# Altium PCB toothx.PcbDoc
Units mm, origin at the board's own origin, x right, y up, seen from the top; angles counter-clockwise.
Board outline 65 x 10 mm, 2 copper layers (Top Layer, Bottom Layer); 42 components, 34 nets, 151 pads, 146 vias.
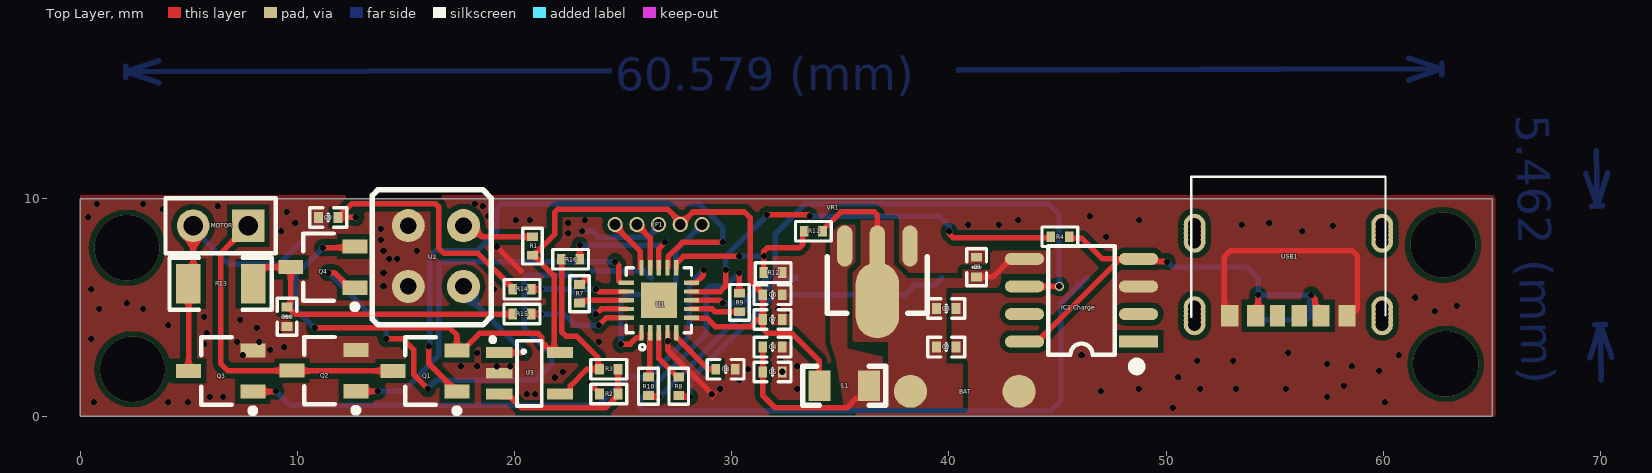
[diagram p0: Top Layer view]
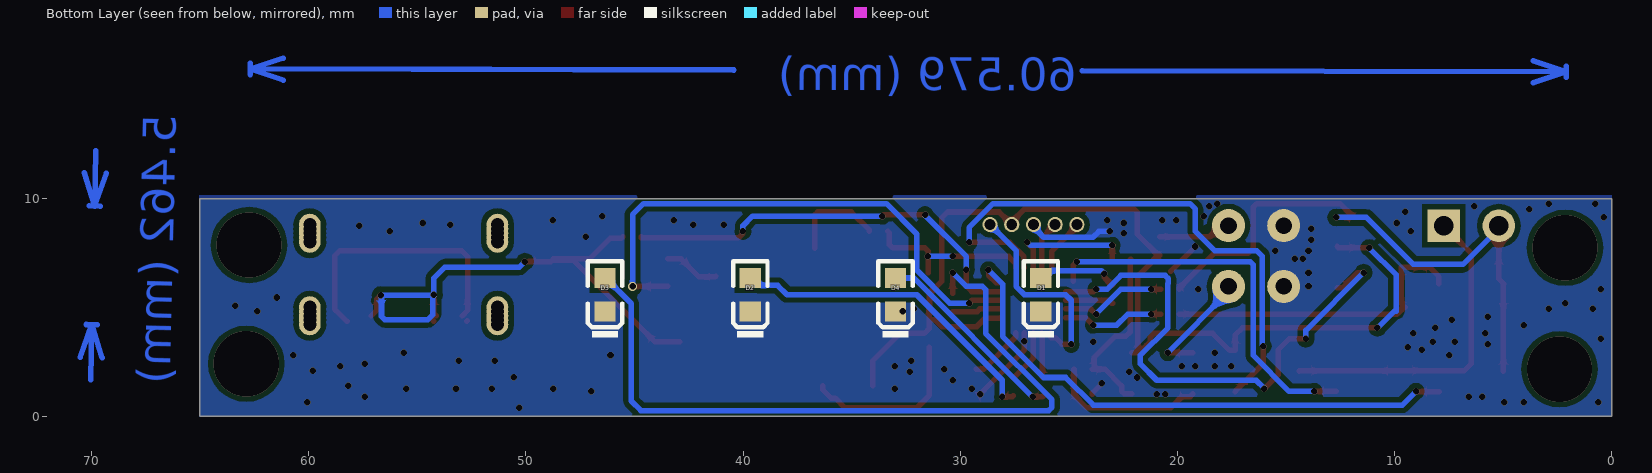
[diagram p1: Bottom Layer view, seen from below]
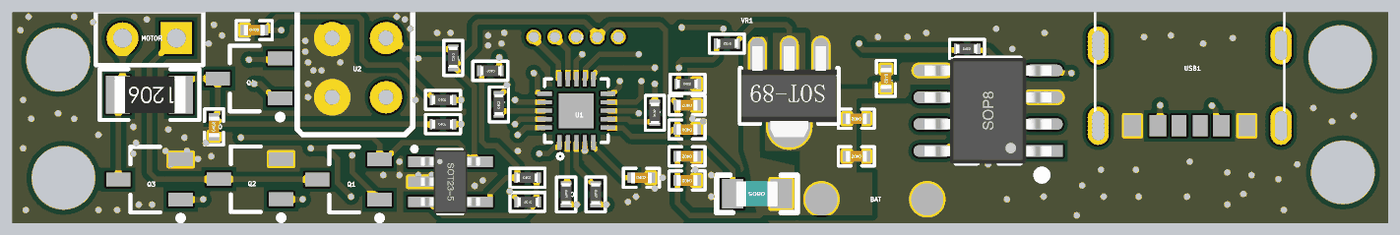
[diagram p2: 3D render of the assembled board from above, using the file's embedded part models]
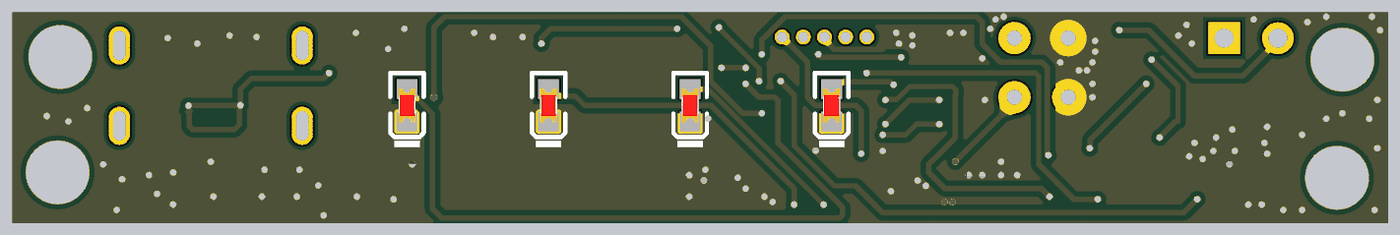
[diagram p3: 3D render of the assembled board from below, using the file's embedded part models]

## Layer stack, top to bottom
Top Solder: solder mask 0.0102, Solder Resist, Dk 3.5
Top Layer: signal copper 0.0356
Dielectric 1: dielectric 0.32, FR-4, Dk 4.8
Bottom Layer: signal copper 0.0356
Bottom Solder: solder mask 0.0102, Solder Resist, Dk 3.5

## Board outline
0,0 65,0 65,10 0,10

## Design rules (kind name [scope] priority, off if disabled: settings)
Clearance [All] p1: gap=0.245 ignorepadtopadclearanceinfootprint=FALSE except(0: Arc-SMDPad Arc-Hole Track-SMDPad Track-Hole SMDPad-SMDPad SMDPad-THPad SMDPad-Via SMDPad-Text SMDPad-Hole THPad-Hole Via-Hole Text-Hole; 0.1: Arc-Arc Arc-Track Arc-THPad Arc-Via Arc-Text Track-Track Track-THPad Track-Via Track-Text THPad-THPad THPad-Via THPad-Text Via-Via Via-Text Text-Text)
PolygonConnect [All] p1: connectstyle=Direct reliefconductorwidth=0.254 reliefentries=4 polygonreliefangle="45 Angle" airgapwidth=0.254
RoutingVias [All] p1: holewidth=0.711 width=1.27 viastyle="Through Hole" minholewidth=0.711 minwidth=1.27 maxholewidth=0.711 maxwidth=1.27
SolderMaskExpansion [All] p1: expansion=0.102
Width [All] p1: maxlimit=0.254 minlimit=0.254 preferedwidth=0.254
30 further rules are at their usual default settings.

## Components (designator, comment, footprint, x,y, rotation, side; value= is the part's Value field where it differs from the comment)
BAT "Header 2" POWER 38.227,1.143 r0 top
C1 "10uF" "C 0402_L" 41.275,6.858 r270 top
C2 "10uF (106) 10% 25V" "C 0402_L" 39.878,3.175 r180 top
C3 "100nF (104) 10% 16V" "C 0402_L" 39.878,4.953 r180 top
C4 "10uF (106) 10% 25V" "C 0402_L" 31.877,3.175 r180 top
C5 "100nF (104) 10% 16V" "C 0402_L" 31.877,2.037 r180 top
C6 "1uF" "C 0402_L" 31.877,5.588 r180 top
C7 "10nF" "C 0402_L" 31.877,4.445 r180 top
C8 "47nF" "C 0402_L" 29.718,2.159 r0 top
C9 "100nF (104) 10% 50V" "C 0402_L" 11.43,9.144 r0 top
C10 "100nF (104) 10% 50V" "C 0402_L" 9.525,4.572 r90 top
D1 "白灯 0603" 0603_LED_S1 26.289,5.588 r90 bottom
D2 "白灯 0603" 0603_LED_S1 39.666,5.588 r90 bottom
D3 "白灯 0603" 0603_LED_S1 46.355,5.588 r90 bottom
D4 "白灯 0603" 0603_LED_S1 32.978,5.588 r90 bottom
"IC1 Charge" "TP4056" SOP8_N 46.101,5.334 r180 top
JP1 "HDR-1X5" JTAG 24.631,8.819 r0 top
L1 "10uH" "L 0805" 35.179,1.397 r180 top
MOTOR "HDR-1X2" HDR1X2 7.747,8.763 r180 top
Q1 "AO3401A P道沟 X13A15 SOT-23" SOT-23-3L 15.875,2.075 r0 top
Q2 "AO3400A N道沟 X0YV1T SOT-23" SOT-23-3L 11.225,2.093 r0 top
Q3 "AO3400A N道沟 X0YV1T SOT-23" SOT-23-3L 6.477,2.075 r0 top
Q4 "AO3401A P道沟 X13A15 SOT-23" SOT-23-3L 11.176,6.858 r0 top
R1 "100Ω (1000) ±1%" "R 0402_L" 20.828,7.855 r270 top
R2 "10K" "R 0402_L" 24.365,1.016 r180 top
R3 "90K" "R 0402_L" 24.315,2.159 r0 top
R4 "10K" "R 0402_L" 45.085,8.255 r0 top
R7 "100Ω (1000) ±1%" "R 0402_L" 22.987,5.607 r90 top
R8 "100Ω (1000) ±1%" "R 0402_L" 27.559,1.397 r270 top
R9 "100Ω (1000) ±1%" "R 0402_L" 30.353,5.207 r90 top
R10 "100Ω (1000) ±1%" "R 0402_L" 26.162,1.397 r270 top
R11 "10K" "R 0402_L" 33.782,8.509 r180 top
R12 "10K" "R 0402_L" 31.877,6.604 r0 top
R13 "0.1Ω (R100) ±1%" 1206_R 6.477,6.096 r180 top
R14 "330Ω (3300) ±1%" "R 0402_L" 20.32,5.842 r0 top
R15 "330Ω (3300) ±1%" "R 0402_L" 20.32,4.699 r0 top
R16 "10K" "R 0402_L" 22.606,7.22 r180 top
U1 "HC32L110_QFN20" WFQFN20-0R4-3X3ER1R65X1R65 26.646,5.334 r90 top
U2 "ITR2001-T" ITR2000 15.113,8.769 r270 top
U3 "LMV321IDBVRG4" SOT23-5N 20.698,1.971 r270 top
USB1 "TYPEC1" TYPE_C_6PIN 55.624,6.519 r180 top
VR1 "ME6230A33PG" SOT-89(SOT-89-3) 36.703,7.834 r90 top

## Footprints (in the part's own frame and the unit in brackets; to place one, negate y for a bottom-side part, rotate by r counter-clockwise, add the part's x,y. Pads: shape width x height; smd on the part's side, far side on the other; paste and mask are expansions set on the pad)
0603_LED_S1 [mm]
  rect 0.93x0.98 smd: A(0.77,0) K(-0.77,0)
  silkscreen extent -1.97,-0.79 1.54,0.79, body extent -0.8,-0.4 0.8,0.4, height 0.6
1206_R [mm]
  rect 1.13x1.8 smd: 1(-1.49,0) 2(1.49,0)
  silkscreen extent -2.36,-1.2 2.35,1.2, body extent -1.7,-0.86 1.65,0.87, height 0.85
"C 0402_L" [mm] "无极性贴片电容"
  rect 0.4x0.5 smd: 1(-0.45,0) 2(0.45,0)
  silkscreen extent -0.85,-0.45 0.85,0.45, body extent -0.5,-0.26 0.5,0.26, height 0.53
HDR1X2 [mm] "Connector; Header; 2 Position"
  rect 1.5x1.5 hole 0.9: 1(0,0)
  round 1.5 hole 0.9: 2(2.54,0)
  silkscreen extent -1.27,-1.27 3.81,1.27
ITR2000 [mil]
  round 60 hole 30: 1(0,100) 2(0,0) 3(110.24,0) 4(110.24,100)
  silkscreen extent -65,-65 180,150
JTAG [mm]
  round 0.7 hole 0.5: 1(0,0) 2(1,0) 3(2,0) 4(3,0) 5(4,0)
"L 0805" [mil] "小功率贴片电感"
  rect 40x55 smd: 1(-45,0) 2(45,0)
  silkscreen extent -75,-35 75,35, body extent -39,-24 39,24, height 35
POWER [mil]
  round 60 smd: 1(0,0) 2(196.85,0)
"R 0402_L" [mm] "1/16W贴片电阻"
  rect 0.4x0.5 smd: 1(-0.4,0) 2(0.45,0)
  silkscreen extent -0.8,-0.45 0.85,0.45, body extent -0.5,-0.25 0.5,0.25, height 0.3
SOP8_N [mm] "5*6*1.8mm（长宽高）"
  rect 1.8x0.55 smd: 1(-2.625,1.905)
  oval 1.8x0.55 smd: 2(-2.625,0.635) 3(-2.625,-0.635) 4(-2.625,-1.905) 5(2.625,-1.905) 6(2.625,-0.635) 7(2.625,0.635) 8(2.625,1.905)
  silkscreen extent -2.69,-2.5 1.52,3.2, body extent -3,-2.5 3,2.5, height 1.9
SOT23-5N [mm] "3x1.6x1.1mm(长宽高)"
  rect 0.5x1.2 smd: 1(-0.95,-1.4) 2(0,-1.4) 3(0.95,-1.4) 4(0.95,1.4) 5(-0.95,1.4)
  silkscreen extent -1.63,-1.78 1.5,0.56, body extent -1.5,-1.4 1.5,1.4, height 1.15
SOT-23-3L [mm] "http://www.aosmd.com/res/packaging_information/SOT-23-3L.pdf"
  rect 1.15x0.65 smd: 1(1.475,-0.95) 2(1.475,0.95) 3(-1.475,0)
  silkscreen extent -0.9,-1.95 1.6,1.55, body extent -0.9,-1.55 0.9,1.55, height 1.25
SOT-89(SOT-89-3) [mm]
  oval 1.9x0.7 smd: 1(0,-1.5) 3(0,1.5)
  oval 3.5x2 smd: 2(-2.5,0)
  oval 2.1x0.7 smd: 2(-0.1,0)
  silkscreen extent -3.1,-2.3 -0.5,2.3, body extent -3.75,-2.25 0.55,2.25, height 1.51
TYPE_C_6PIN [mm]
  round 1 hole 0.6: 1(-4.32,1.5) 1(-4.32,1.7) 1(-4.32,1.9) 1(-4.32,2.1) 1(-4.32,2.3) 2(-4.32,-2.3) 2(-4.32,-2.1) 2(-4.32,-1.9) 2(-4.32,-1.7) 2(-4.32,-1.5) 3(4.32,-2.3) 3(4.32,-2.1) 3(4.32,-1.9) 3(4.32,-1.7) 3(4.32,-1.5) 4(4.32,1.5) 4(4.32,1.7) 4(4.32,1.9) 4(4.32,2.1) 4(4.32,2.3)
  rect 0.7x1 smd: A5(-0.5,1.9) B5(0.5,1.9)
  rect 0.8x1 smd: A9(1.5,1.9) A12(2.7,1.9) B9(-1.5,1.9) B12(-2.7,1.9)
  silkscreen extent -4.47,-4.5 4.47,1.95
WFQFN20-0R4-3X3ER1R65X1R65 [mm]
  rect 0.7x0.2 smd mask+0.09: 1(-1.5,0.8) 2(-1.5,0.4) 3(-1.5,0) 4(-1.5,-0.4) 5(-1.5,-0.8) 11(1.5,-0.8) 12(1.5,-0.4) 13(1.5,0) 14(1.5,0.4) 15(1.5,0.8)
  rect 0.2x0.7 smd mask+0.09: 6(-0.8,-1.5) 7(-0.4,-1.5) 8(0,-1.5) 9(0.4,-1.5) 10(0.8,-1.5) 16(0.8,1.5) 17(0.4,1.5) 18(0,1.5) 19(-0.4,1.5) 20(-0.8,1.5)
  rect 1.65x1.65 smd: 21(0,0)
  silkscreen extent -2.29,-1.5 1.5,1.5

## Part data
BAT: "Header, 2-Pin", LatestRevisionDate=17-Jul-2002, LatestRevisionNote="Re-released for DXP Platform.", Publisher="Altium Limited"
C1 C6 C7 C8: library part C, "贴片电容"
C2 C4: library part "0805 10uF (106) 10% 25V", "贴片电容", Package=0805, SuppliersPartNumber=C15850, ComponentLink1Description=供应商, ComponentLink1URL=http://www.szlcsc.com/product/details_16532.html, Supplier=LC
C3 C5: library part "0402 100nF (104) 10% 16V", "贴片电容", Package=0402, SuppliersPartNumber=C1525, ComponentLink1Description=供应商, ComponentLink1URL=http://www.szlcsc.com/product/details_1877.html, Supplier=LC
C9 C10: library part "0603 100nF (104) 10% 50V", "贴片电容", Package=0603, SuppliersPartNumber=C14663, ComponentLink1Description=供应商, ComponentLink1URL=http://www.szlcsc.com/product/details_15331.html, Supplier=LC
D1 D2 D3 D4: library part "0603 白灯", "发光二极管", Package=0603, SuppliersPartNumber=C2290, ComponentLink1Description=供应商, ComponentLink1URL=http://www.szlcsc.com/product/details_2663.html, Supplier=LC
"IC1 Charge": "锂电池充电管理"
JP1: library part "Header 5", "5P接插件", BOM名称=5P接
L1: library part L, "小功率贴片电感"
MOTOR: library part "Header 2", "2P接插件", BOM名称=2P接
Q1 Q4: "MOS(场效应管)", Package=SOT-23, SuppliersPartNumber=C15127, ComponentLink1Description=供应商, ComponentLink1URL=http://www.szlcsc.com/product/details_15801.html, Supplier=LC
Q2 Q3: "MOS(场效应管)", Package=SOT-23, SuppliersPartNumber=C20917, ComponentLink1Description=供应商, ComponentLink1URL=http://www.szlcsc.com/product/details_21629.html, Supplier=LC
R1 R2 R3 R4 R7 R8 R9 R10 R11 R12 R16: library part "0603 100Ω (1000) 1%", "贴片电阻", Package=0603, SuppliersPartNumber=C22775, ComponentLink1Description=供应商, ComponentLink1URL=http://www.szlcsc.com/product/details_23502.html, Supplier=LC
R13: library part "1206 0.1Ω (R100) 1%", "贴片电阻", Package=1206, SuppliersPartNumber=C25334, ComponentLink1Description=供应商, ComponentLink1URL=http://www.szlcsc.com/product/details_26077.html, Supplier=LC
R14 R15: library part "0603 330Ω (3300) 1%", "贴片电阻", Package=0603, SuppliersPartNumber=C23138, ComponentLink1Description=供应商, ComponentLink1URL=http://www.szlcsc.com/product/details_23865.html, Supplier=LC
U2: library part Component_1
U3: library part LMV321IDBVRG4_[C7972], "运放", Package=SOT-23-5, SuppliersPartNumber=C7972, ComponentLink1Description=供应商, ComponentLink1URL=http://www.szlcsc.com/product/details_8449.html, Supplier=LC
USB1: library part Type-C-6Pin
VR1: library part "SOT-89 HT7533-1", "低压差线性稳压(LDO)", Package=SOT-89, SuppliersPartNumber=C14289, ComponentLink1Description=供应商, ComponentLink1URL=http://www.szlcsc.com/product/details_14949.html, Supplier=LC

## Free pads (board coordinates)
  round 0.3 hole 3: 4(2.159,7.747) 5(2.413,2.159) 6(62.865,2.413) 7(62.738,7.874)

## Via types
v1: diameter 0.3, hole 0.3, Top Layer to Bottom Layer, tented both sides, 137 vias
v2: diameter 3, hole 3, Top Layer to Bottom Layer, tented both sides, 4 vias
v3: diameter 1.27, hole 0.711, Top Layer to Bottom Layer, tented both sides, 4 vias
v4: diameter 0.4, hole 0.3, Top Layer to Bottom Layer, tented both sides, 1 vias

## Nets (pads, with @x,y where several pads share a name; then routed paths per layer and width w, separated by ;. In a path a pad name is that pad's centre, name@x,y a point inside that pad or via, vN(x,y) a via of type N, cw(c..) or ccw(c..) an arc to the next point about the centre after c; other vN are vias at no path point)
BAT: "IC1 Charge.5" BAT.1 C1.2 C2.2 C3.2 R11.1 VR1.2 | length 7.1
  Top Layer w0.254: R11.1 34.182,8.559 35.021,9.398 36.554,9.398 36.703,9.249 VR1.2@36.703,7.734 ; C1.2@41.25,6.433 C1.2 42.02,6.408 42.851,7.239 43.476,7.239
BAT_ADC: R11.2 R12.1 U1.11 | length 7.9
  Top Layer w0.254: U1.11 27.446,7.03 27.773,7.357 30.344,7.357 v1(30.353,7.366) ; R12.1 31.477,7.598 31.626,7.747 33.11,7.747 33.259,7.896 33.259,8.436 R11.2
  Bottom Layer w0.254: v1(30.353,7.366) v1(31.496,7.366)
GND: "IC1 Charge.3" BAT.2 C1.1 C2.1 C3.1 C4.1 C5.1 C6.1 C7.1 C8.2 C9.1 C10.1 D1.K D2.K D3.K D4.K JP1.3 Q2.2 Q3.2 R2.2 R12.2 U1.4 U2.2 U2.3 U3.2 USB1.A12 USB1.B12 VR1.1 | length 22.3
  Top Layer w0.254: v1(19.177,7.808) 20.32,6.665 ; v1(23.495,1.524) 23.504,1.515 23.504,1.477 23.915,1.066 R2.2 ; U1.4 27.046,3.053 v1(29.083,1.016) ; USB1.A12@52.704,4.386 USB1.A12@52.727,4.363 ; USB1.A12 52.677,4.866 52.677,7.338 52.959,7.62 58.547,7.62 58.801,7.366 58.801,4.936 USB1.B12@58.227,4.363
  Bottom Layer w0.254: v1(23.114,8.509) 23.622,8.509 23.897,8.234 26.167,8.234 26.631,8.699 JP1.3
  other v1: 50.292,0.381 0.635,0.635 4.064,0.635 4.953,0.635 60.071,0.635 5.969,0.889 6.604,0.889 57.404,0.898 20.574,1.016 20.955,1.016 46.99,1.143 29.464,1.27 33.02,1.27 48.726,1.27 51.562,1.27 53.213,1.27 55.499,1.27 58.166,1.397 30.353,1.651 21.844,1.778 50.546,1.797 22.225,2.032 32.327,2.037 59.817,2.093 30.734,2.159 17.526,2.286 18.288,2.286 19.177,2.286 19.812,2.286 33.02,2.286 58.547,2.286 57.404,2.413 32.258,2.54 51.435,2.54 53.086,2.54 7.493,2.794 46.101,2.794 60.706,2.794 18.288,2.921 55.626,2.921 8.763,3.048 9.398,3.175 5.715,3.302 7.239,3.429 8.255,3.429 23.876,3.429 27.046,3.444 0.508,3.556 5.842,3.81 9.144,3.81 8.128,4.064 4.064,4.191 7.366,4.445 5.715,4.572 32.639,4.826 62.357,4.826 0.889,4.953 2.921,4.953 32.131,4.953 63.373,5.08 2.159,5.207 61.468,5.461 0.508,5.842 19.05,5.842 13.97,5.969 13.97,6.604 14.224,7.239 14.605,7.239 13.97,7.62 15.494,7.62 13.843,8.128 47.244,8.255 22.479,8.419 9.271,8.509 56.261,8.509 13.843,8.636 57.658,8.769 40.894,8.819 42.291,8.819 53.467,8.819 9.906,8.89 22.479,8.89 54.737,8.89 20.066,9.017 20.701,9.017 23.241,9.017 43.18,9.017 48.768,9.017 0.381,9.144 18.796,9.207 46.482,9.207 9.525,9.398 3.81,9.525 6.35,9.652 18.542,9.652 0.762,9.779 2.921,9.779 18.161,9.779
  other v3: 15.113,5.969 15.113,8.769
ISHUNT1: C10.2 Q4.3 R13.1 R15.1 | length 14.7
  Top Layer w0.254: R13.1 7.967,6.42 8.405,6.858 Q4.3 9.701,5.198 9.648,5.145 9.648,5.095 C10.2@9.575,5.022 ; C10.2 C10.2@9.575,5.022 ; R15.1 9.898,4.699 C10.2@9.575,5.022
ISHUNT2: C9.2 MOTOR.2 Q3.3 R13.2 R14.1 | length 27.9
  Top Layer w0.254: Q3.3 5.002,6.081 R13.2 5.207,6.316 MOTOR.2 ; v1(12.7,9.144) C9.2 11.88,9.194 11.953,9.267 12.003,9.267 12.515,9.779 16.361,9.779 16.51,9.63 16.51,7.747 16.764,7.493 18.319,7.493 19.92,5.892 R14.1
  Bottom Layer w0.254: MOTOR.2 5.207,8.636 6.858,6.985 9.144,6.985 11.303,9.144 v1(12.7,9.144)
ITRADC: R16.1 U1.13 | length 5.9
  Top Layer w0.254: v1@22.987,7.874 v1(23.006,7.855) R16.1 ; U1.13 26.646,7.711 26.924,7.989 v1(26.924,8.001)
  Bottom Layer w0.254: v1(23.006,7.855) 26.765,7.855 26.912,8.001 v1(26.924,8.001)
LED1: R7.1 U1.18 | length 2.2
  Top Layer w0.254: R7.1 23.037,5.207 23.164,5.334 U1.18
LED2: R8.1 U1.3 | length 2.4
  Top Layer w0.254: U1.3 26.646,2.66 27.509,1.797 R8.1
LED3: R9.1 U1.7 | length 2.3
  Top Layer w0.254: U1.7 29.102,4.934 29.229,4.807 R9.1
LED4: R10.1 U1.2 | length 2.1
  Top Layer w0.254: R10.1 26.212,1.797 26.219,1.804 26.219,3.807 U1.2
NetC4_2: C4.2 C5.2 L1.1 VR1.3 | length 7.9
  Top Layer w0.254: C4.2 C5.2 31.427,0.958 32.004,0.381 35.306,0.381 35.75,0.826 35.941,0.826 36.322,1.206 L1.1
NetC8_1: C8.1 U1.5 | length 2.6
  Top Layer w0.254: U1.5 27.446,3.638 28.916,2.168 29.259,2.168 C8.1
NetD1_A: D1.A R7.2 | length 3.8
  Top Layer w0.254: R7.2 23.037,6.057 23.368,6.388 v1(23.368,6.559)
  Bottom Layer w0.254: v1(23.368,6.559) 23.505,6.696 25.951,6.696 D1.A
NetD2_A: D2.A R8.2 | length 14.8
  Top Layer w0.254: R8.2 27.617,0.889 v1(28.067,0.889)
  Bottom Layer w0.254: v1(28.067,0.889) 28.067,1.651 32.004,5.588 37.973,5.588 38.405,6.02 39.328,6.02 D2.A
NetD3_A: D3.A R9.2 | length 35.3
  Top Layer w0.254: R9.2 v1(30.353,6.604)
  Bottom Layer w0.254: v1(30.353,6.604) 29.718,5.969 28.978,5.969 28.829,5.82 28.829,3.81 25.781,0.762 25.781,0.403 25.93,0.254 44.704,0.254 45.147,0.697 45.147,5.175 46.33,6.358 D3.A
NetD4_A: D4.A R10.2 | length 9.1
  Top Layer w0.254: R10.2 26.22,0.889 v1(26.67,0.889)
  Bottom Layer w0.254: v1(26.67,0.889) 32.139,6.358 D4.A
NetMOTOR_1: MOTOR.1 Q1.3 Q2.3 | length 14.9
  Top Layer w0.254: MOTOR.1 6.477,7.493 6.477,2.413 6.797,2.093 Q2.3 9.759,2.084 14.391,2.084 Q1.3
NetR1_1: R1.1 U2.1 | length 3.4
  Top Layer w0.254: v3(17.653,8.769) 17.997,8.769 18.511,8.255 R1.1
NetR2_1: R2.1 R3.2 U3.3 | length 7.2
  Top Layer w0.254: U3.3 19.421,0.898 19.803,0.898 20.32,0.381 24.18,0.381 24.765,0.966 R2.1 R3.2
NetR3_1: R3.1 R16.2 U3.4 | length 8.5
  Top Layer w0.254: U3.4 22.448,1.021 22.571,1.144 22.571,1.396 23.334,2.159 R3.1 23.842,2.232 23.842,2.701 22.86,3.683 22.374,3.683 22.176,3.881 22.176,7.2 R16.2
NetR14_2: R14.2 U1.19 | length 5
  Top Layer w0.254: R14.2 v1(21.209,5.842) ; v1@23.757,4.707 v1(23.749,4.699) 23.761,4.699 23.996,4.934 U1.19
  Bottom Layer w0.254: v1(21.209,5.842) 22.606,5.842 v1(23.749,4.699)
NetR15_2: R15.2 U1.20 | length 4.8
  Top Layer w0.254: R15.2 v1(21.209,4.699) ; v1@23.892,4.207 v1(23.876,4.191) 23.888,4.191 24.231,4.534 U1.20
  Bottom Layer w0.254: v1(21.209,4.699) 22.289,4.699 22.797,4.191 v1(23.876,4.191)
NetU2_3: U2.4 U3.1 | length 5.4
  Top Layer w0.254: U3.1 v1(20.447,2.921)
  Bottom Layer w0.254: v3(17.653,5.969) 17.653,5.727 20.447,2.933 v1(20.447,2.921)
P23: Q3.1 U1.10 | length 26
  Top Layer w0.254: Q3.1 8.999,1.125 v1(9.017,1.143) ; U1.10 28.342,6.134 28.693,6.485 28.693,6.722 v1(28.702,6.731)
  Bottom Layer w0.254: v1(9.017,1.143) 9.652,0.508 23.876,0.508 25.146,1.778 26.162,1.778 28.052,3.668 28.052,6.081 v1(28.702,6.731)
P25: Q1.1 U1.12 | length 26.3
  Top Layer w0.254: v1(16.052,3.225) 16.052,2.423 Q1.1 ; U1.12 27.073,6.861 27.073,7.343 27.731,8.001 v1(29.591,8.001)
  Bottom Layer w0.254: v1(16.052,3.225) 16.102,3.275 16.102,7.366 16.356,7.62 18.288,7.62 19.177,8.509 19.177,9.525 19.431,9.779 28.488,9.779 29.591,8.676 v1(29.591,8.001)
P32: Q2.1 U1.16 | length 17.8
  Top Layer w0.254: Q2.1 v1(13.716,1.143) ; v1(24.638,7.112) 24.797,6.953 U1.16@24.797,6.207
  Bottom Layer w0.254: v1(13.716,1.143) 14.859,1.143 16.51,2.794 16.51,6.963 16.659,7.112 v1(24.638,7.112)
P33: Q4.1 U1.17 | length 24.9
  Top Layer w0.254: v1(11.43,6.604) 11.705,6.604 12.401,5.908 Q4.1 ; v1(14.097,3.556) 14.859,3.556 15.367,3.048 15.367,1.905 v1(16.002,1.27) ; v1(23.749,5.842) 23.761,5.842 23.869,5.734 U1.17
  Bottom Layer w0.254: v1(11.43,6.604) 14.088,3.946 14.088,3.565 v1(14.097,3.556) ; v1(16.002,1.27) 16.383,1.651 20.955,1.651 21.717,2.413 21.717,2.794 20.447,4.064 20.447,6.096 20.425,6.118 20.425,6.328 20.574,6.477 22.606,6.477 23.232,5.851 23.74,5.851 v1(23.749,5.842)
RST: JP1.5 U1.1 | length 9.5
  Top Layer w0.254: v1(24.892,3.302) 24.901,3.311 25.323,3.311 25.623,3.611 25.819,3.611 25.846,3.638 U1.1
  Bottom Layer w0.254: v1(24.892,3.302) 24.892,5.334 25.146,5.588 27.051,5.588 27.432,5.969 27.432,7.62 JP1.5
STAT: R4.1 U1.9 | length 19.5
  Top Layer w0.254: U1.9 29.469,5.734 29.718,5.983 v1(29.718,6.731) ; v1(31.623,9.271) 33.516,9.271 33.579,9.207 v1(33.591,9.207) ; v1(40.005,8.509) 40.005,8.409 40.209,8.205 44.685,8.205 R4.1
  Bottom Layer w0.254: v1(29.718,6.731) 29.718,7.341 31.623,9.246 v1(31.623,9.271) ; v1(33.591,9.207) 39.56,9.207 40.005,8.763 v1(40.005,8.509)
STDBY: "IC1 Charge.6" U1.8 | length 25
  Top Layer w0.254: U1.8 29.452,5.334 29.579,5.207 v1(29.591,5.207) ; 43.476,5.969 v4(45.085,5.969)
  Bottom Layer w0.254: v1(29.591,5.207) 30.487,5.207 32.004,6.724 32.004,8.382 33.401,9.779 44.577,9.779 45.085,9.271 v4(45.085,5.969)
SWC: JP1.1 U1.15 | length 2.5
  Top Layer w0.254: JP1.1 24.631,8.74 25.797,7.574 U1.15@25.797,6.834
SWD: JP1.2 U1.14 | length 2.2
  Top Layer w0.254: JP1.2 26.246,8.205 U1.14
VBUS: "IC1 Charge.4" "IC1 Charge.8" R4.2 USB1.A9 USB1.B9 | length 26.7
  Top Layer w0.254: 42.907,3.429 43.476,3.429 44.069,3.429 47.822,7.182 48.669,7.182 48.726,7.239 ; R4.2 45.608,8.182 46.116,8.182 47.059,7.239 48.726,7.239 ; v1(50.038,7.112) 48.853,7.112 48.726,7.239 ; USB1.A9 54.229,4.724 v1(54.229,5.588) ; USB1.A9@54.227,4.363 USB1.A9@54.25,4.386 ; v1@56.704,5.546 v1(56.677,5.573) 56.677,5.56 56.851,5.387 56.851,4.892 USB1.B9
  Bottom Layer w0.254: v1(50.038,7.112) 50.292,6.858 53.721,6.858 54.229,6.35 v1(54.229,5.588) 54.241,5.588 v1@54.257,5.573 ; v1@54.214,5.573 v1@54.257,5.573 ; v1@56.642,5.537 56.642,4.594 56.493,4.445 54.505,4.445 54.277,4.672 v1@54.277,5.573 ; v1(56.677,5.573) v1@54.277,5.573 ; v1@54.257,5.573 v1@54.277,5.573
VCC: C6.2 C7.2 JP1.4 L1.2 Q1.2 Q4.2 R1.2 U1.6 U3.5 | length 49.5
  Top Layer w0.254: v1(10.795,4.064) 17.018,4.064 17.35,3.732 Q1.2 17.6,3.025 18.385,3.81 21.082,3.81 21.266,3.626 21.266,3.403 21.748,2.921 U3.5@21.945,2.921 ; v1(11.176,7.747) 11.185,7.756 12.599,7.756 Q4.2 ; R1.2 R1.2@20.878,7.405 ; U3.5 U3.5@21.945,2.921 ; U1.6 28.173,4.507 28.857,4.507 29.242,4.122 30.861,4.122 31.182,4.443 31.425,4.443 C7.2 ; L1.2 34.036,2.54 32.766,3.81 31.647,3.81 31.427,4.03 C7.2 ; R1.2@20.878,7.405 21.806,6.477 21.822,6.477 21.822,3.044 U3.5@21.945,2.921 ; R1.2@20.878,7.405 21.844,8.371 21.844,9.376 21.993,9.525 27.046,9.525 27.631,8.94 JP1.4 28.208,9.396 30.587,9.396 30.861,9.122 30.861,6.204 31.427,5.638 C6.2 C7.2
  Bottom Layer w0.254: v1(10.795,4.064) 10.033,4.826 9.928,4.826 9.928,6.499 v1(11.176,7.747)
pads on no net: "IC1 Charge.1" "IC1 Charge.2" "IC1 Charge.7" U1.21 USB1.1 USB1.2 USB1.3 USB1.4 USB1.A5 USB1.B5
copper on no net: | length 64.5
  Bottom Layer w0.254: 2.109,16.107 2.11,15.599 ; 3.633,16.364 2.11,15.853 ; 3.635,15.348 2.11,15.853 ; 24.375,15.9 2.11,15.853 ; 40.423,15.933 62.689,15.98 ; 61.164,16.485 62.689,15.98 ; 61.166,15.469 62.689,15.98 ; 62.688,16.234 62.689,15.726 ; 69.307,11.185 69.85,9.673 ; 69.505,2.677 69.977,4.212 ; 69.596,9.667 70.104,9.679 ; 69.723,4.206 70.231,4.218 ; 69.791,12.212 69.85,9.673 ; 70.036,1.673 69.977,4.212 ; 70.322,11.208 69.85,9.673 ; 70.52,2.7 69.977,4.212
  other v2: 2.413,2.159 62.865,2.413 2.159,7.747 62.738,7.874

## Polygon pours and split planes (outlines as drawn)
GND on Top Layer "Top Layer-GND" (solid, pour order 33): 0,10.16 65.024,10.16 65.151,10.033 65.151,0 0,0
BAT on Top Layer "Top Layer-BAT" (solid, pour order 31): 38.1,6.35 40.64,6.35 40.64,6.731 41.91,6.731 41.91,7.493 42.037,7.62 44.45,7.62 44.45,6.604 44.405,6.559 42.418,6.559 42.418,6.134 42.192,5.908 39.944,5.908 39.878,5.842 39.878,5.461 38.1,5.461
no net on Top Layer "Top Layer-No Net" (solid, pour order 23): 36.83,9.017
NetC4_2 on Top Layer "Top Layer-NetC4_2" (solid, pour order 15): 36.957,0.381 36.957,2.743 35.325,3.124 35.325,6.731 35.814,7.22 35.687,7.347 35.687,8.819 34.798,8.819 34.544,8.565 34.544,3.429 34.798,2.667 35.179,0.381
BAT on Top Layer "Top Layer-BAT 1" (solid, pour order 13): 40.64,0.381 37.211,0.381 37.211,3.429 35.575,3.429 35.56,3.444 35.56,6.604 35.941,6.985 35.941,9.017 37.465,9.017 37.465,6.985 38.1,6.35 38.989,6.35 38.989,5.461 39.878,5.461 39.878,2.413 40.64,2.413
no net on Top Layer "Top Layer-No Net 1" (solid, pour order 11): 40.894,0.381
GND on Bottom Layer "Bottom Layer-GND" (solid, pour order 35): 0,0 65.024,0 65.024,10.16 0,10.16

## Other copper
Bottom Layer:
  text "60.579 (mm)" at 24.631,14.986 h1.52 r0.12
  text "5.462 (mm)" at 66.095,13.864 h1.52 r271.33

## Silkscreen, mask and mechanical layers (free items; w line width, h text height)
Mechanical 1:
  the board outline again, w0.254